# Altium PCB AVR Programmer.PcbDoc
Units mm, origin at the board's own origin, x right, y up, seen from the top; angles counter-clockwise.
Board outline 68.68 x 53.44 mm, 2 copper layers (Top Layer, Bottom Layer); 34 components, 22 nets, 170 pads, 18 vias.
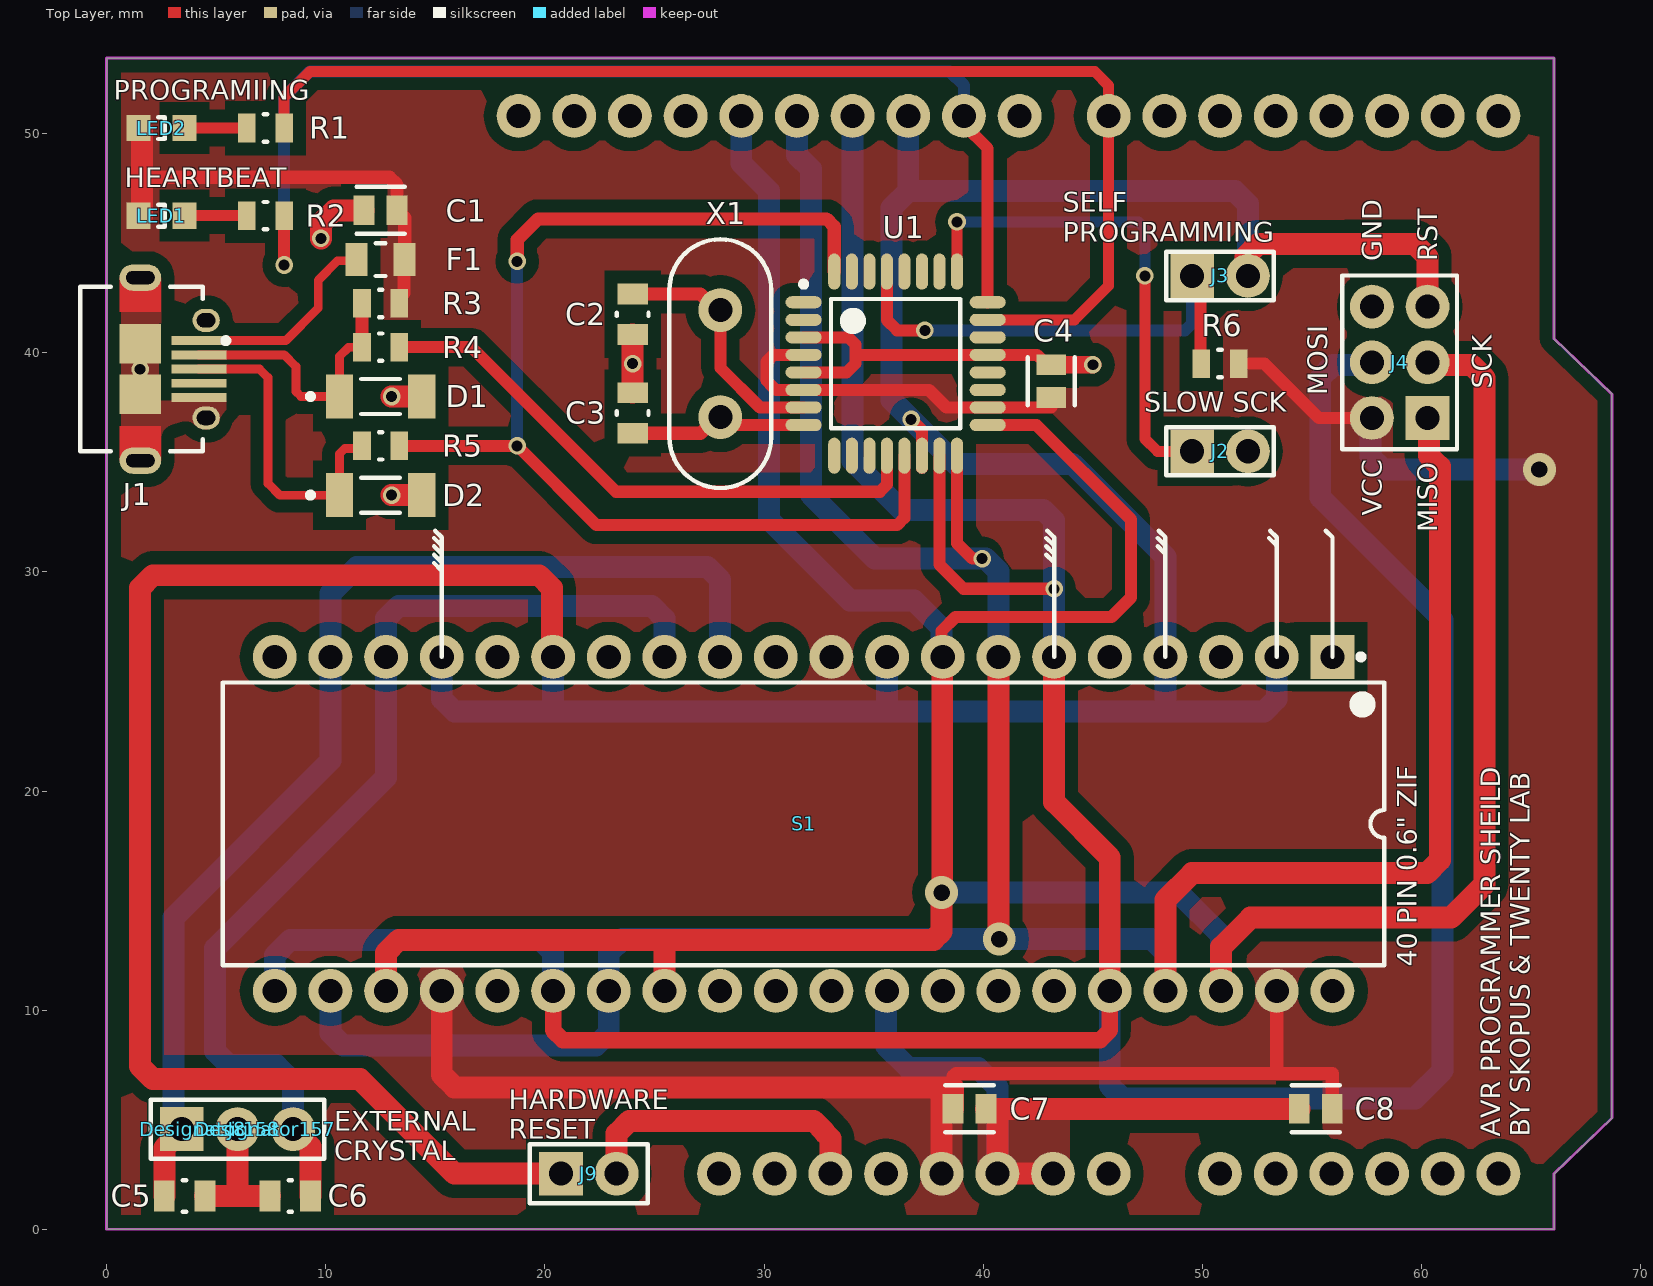
[diagram p0: Top Layer view]
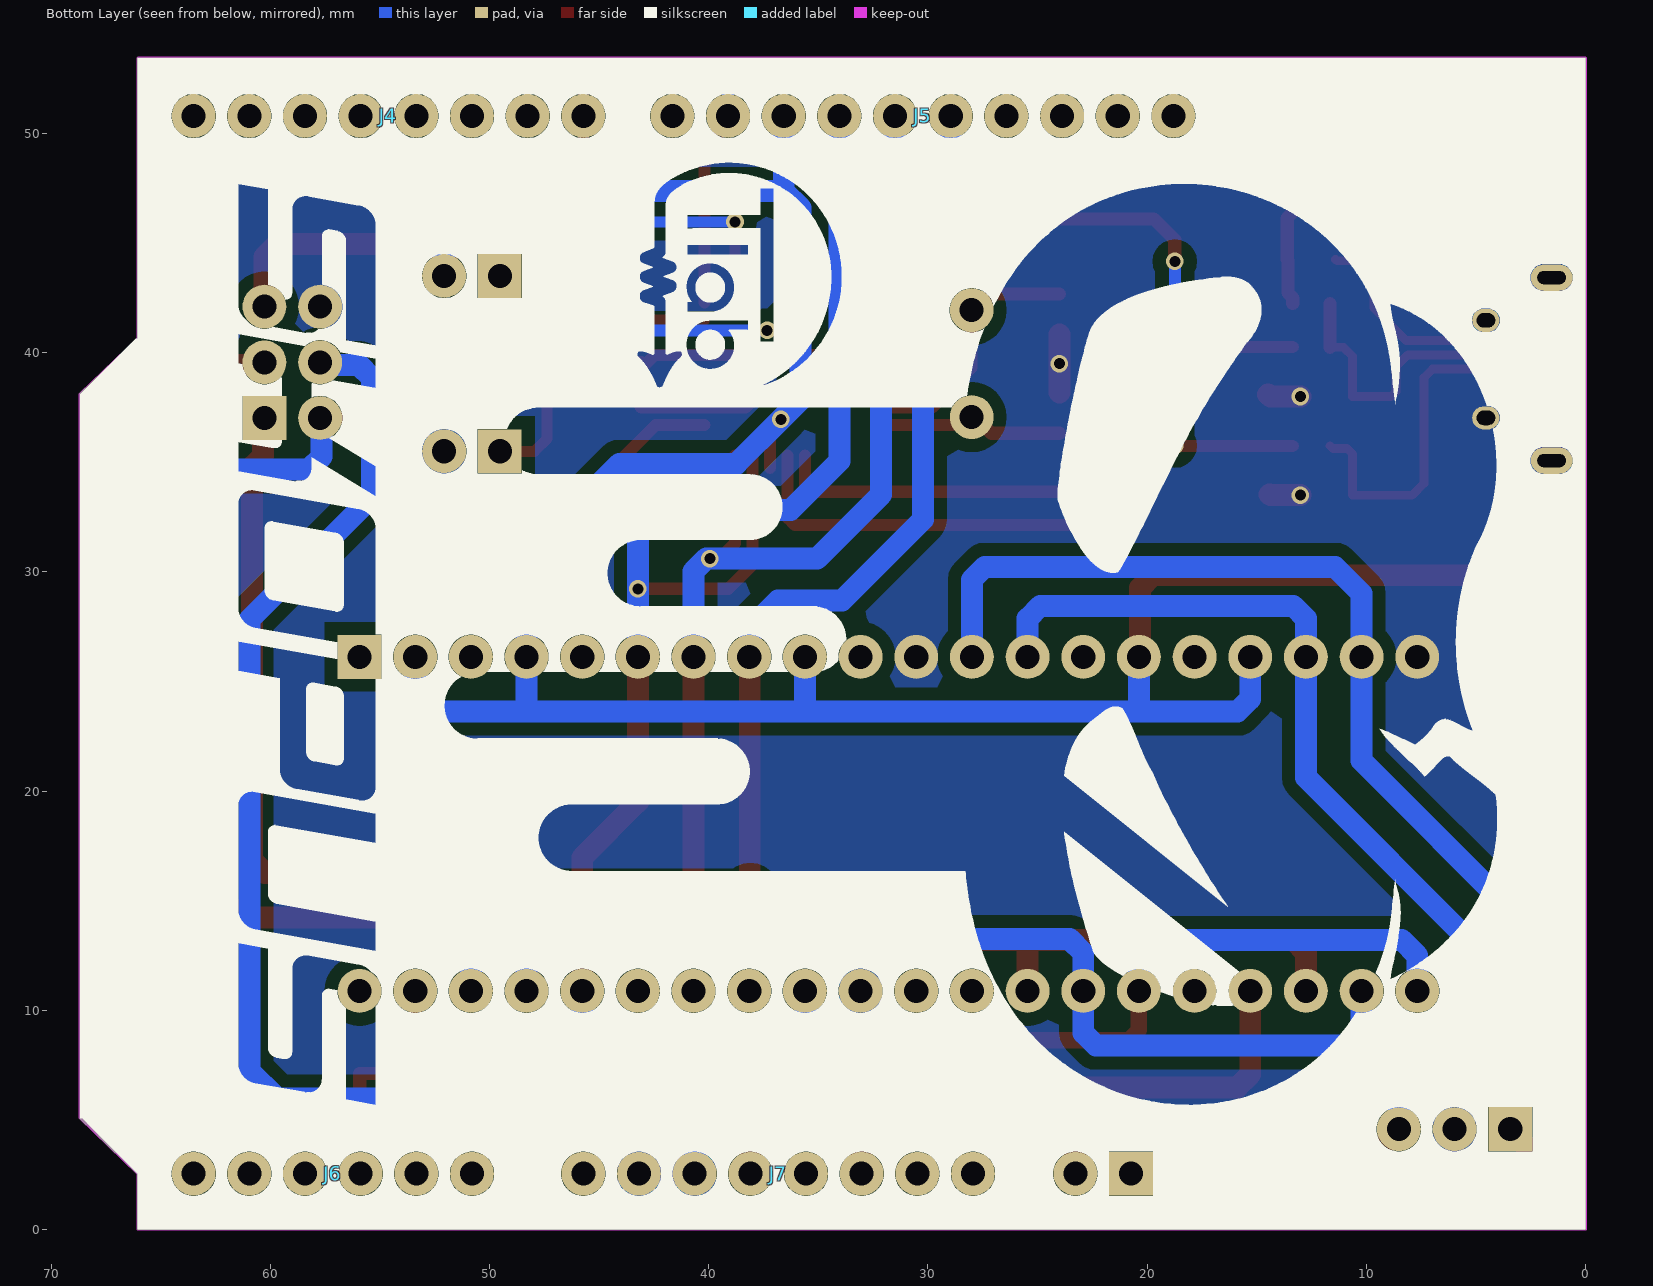
[diagram p1: Bottom Layer view, seen from below]
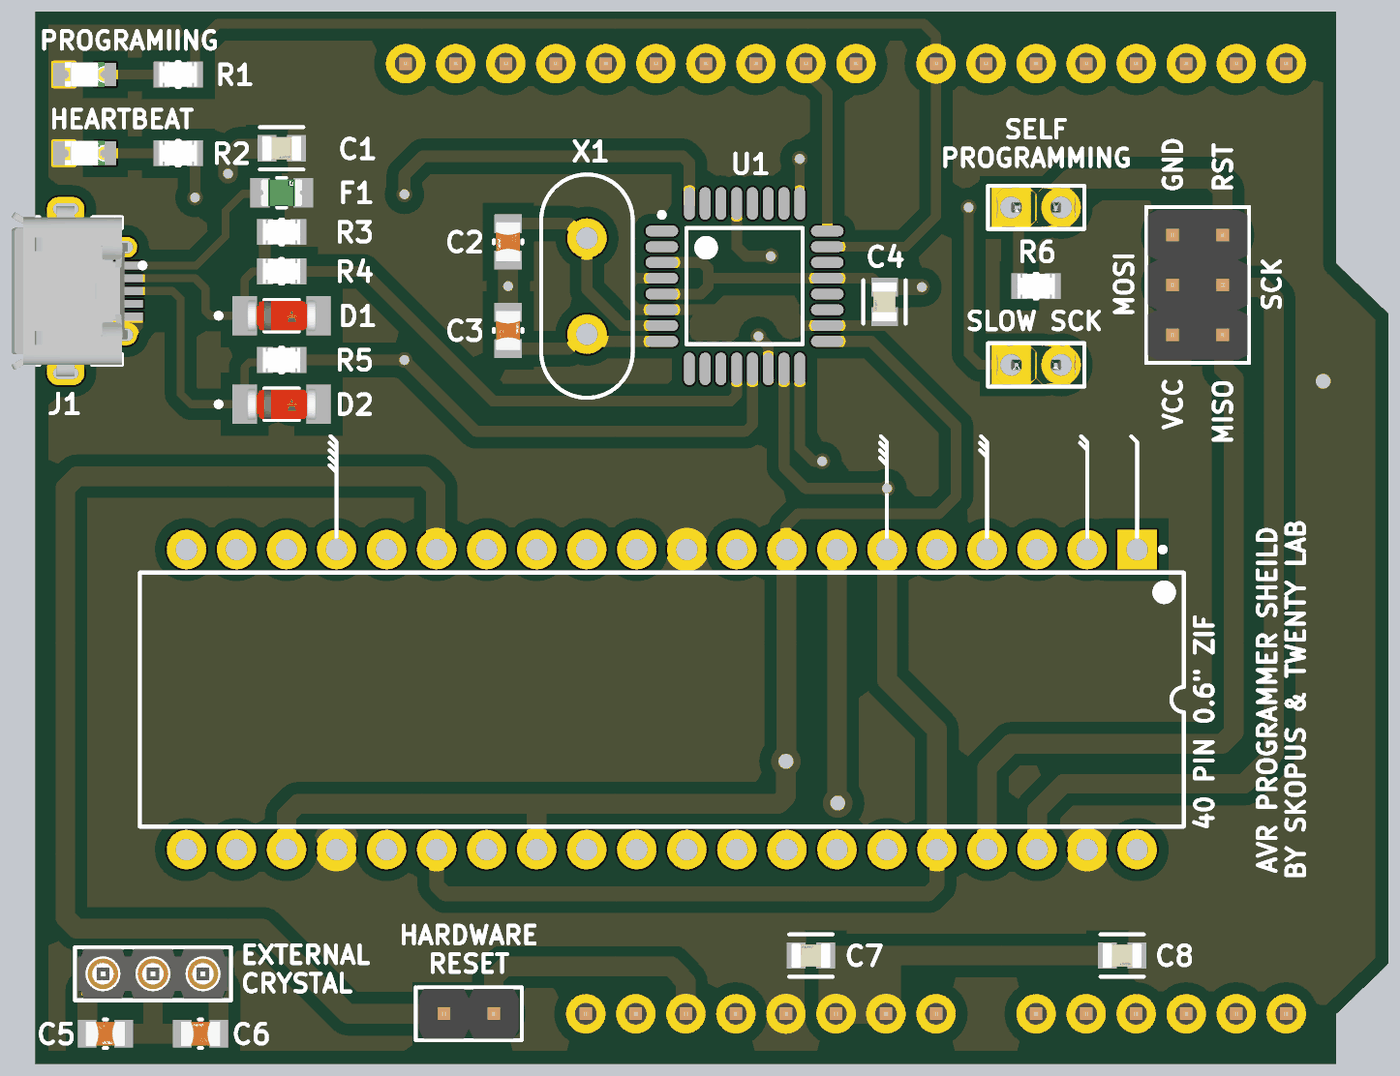
[diagram p2: 3D render of the assembled board from above, using the file's embedded part models]
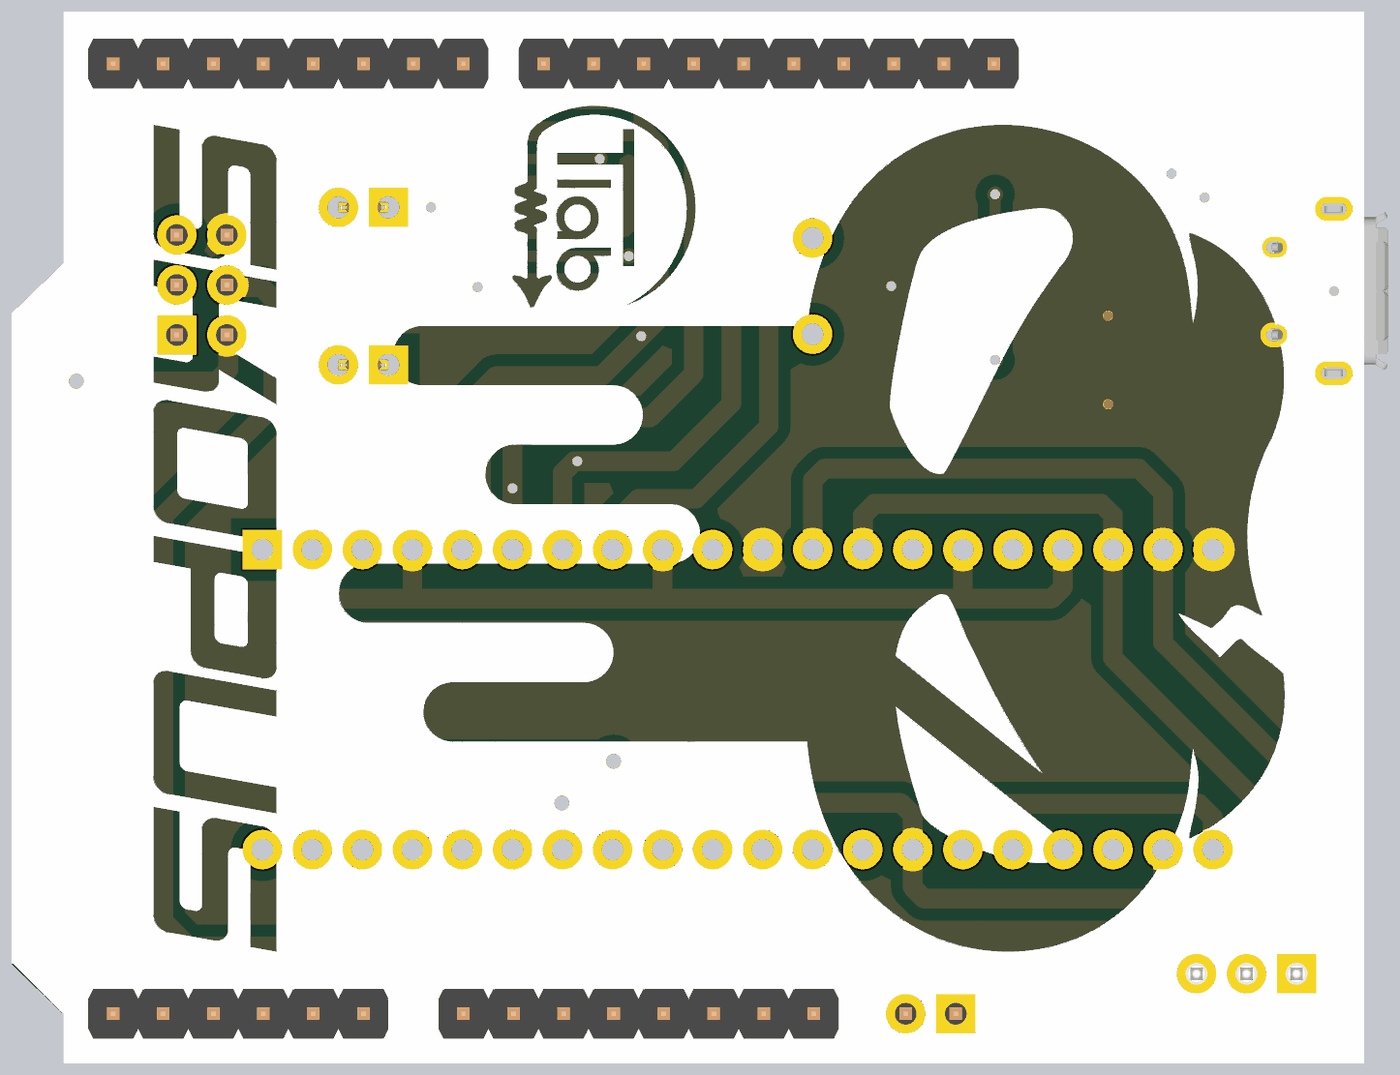
[diagram p3: 3D render of the assembled board from below, using the file's embedded part models]

## Layer stack, top to bottom
Top Solder: solder mask 0.0102, Solder Resist, Dk 3.5
Top Layer: signal copper 0.0356
Dielectric 1: dielectric 0.32, FR-4, Dk 4.8
Bottom Layer: signal copper 0.0356
Bottom Solder: solder mask 0.0102, Solder Resist, Dk 3.5

## Board outline
0,0 0,53.44 66.04,53.44 66.04,40.64 68.68,38.1 68.68,5.08 66.04,2.54 66.04,0

## Design rules (kind name [scope] priority, off if disabled: settings)
Clearance Clearance_2 [InNamedPolygon('NONET_L01_P-001') Or InNamedPolygon('NONET_L01_P-001')] p1: gap=0.6 ignorepadtopadclearanceinfootprint=FALSE except(0: Arc-Hole Track-Hole SMDPad-Hole THPad-Hole Via-Hole Fill-Hole Poly-Hole Region-Hole Text-Hole)
Clearance Clearance_1 [InNamedPolygon('NONET_L01_P-001') Or InNamedPolygon('NONET_L01_P-001')] p2: gap=0.45 ignorepadtopadclearanceinfootprint=FALSE except(0: Arc-Hole Track-Hole SMDPad-Hole THPad-Hole Via-Hole Fill-Hole Poly-Hole Region-Hole Text-Hole)
Clearance [All] p3: gap=0.2 ignorepadtopadclearanceinfootprint=FALSE except(0: Arc-Hole Track-Hole SMDPad-Hole THPad-Hole Via-Hole Fill-Hole Poly-Hole Region-Hole Text-Hole)
PolygonConnect [All] p1: connectstyle=Direct reliefconductorwidth=0.254 reliefentries=4 polygonreliefangle="90 Angle" airgapwidth=0.254
RoutingVias [All] p1: holewidth=0.711 width=1.27 viastyle="Through Hole" minholewidth=0.711 minwidth=1.27 maxholewidth=0.711 maxwidth=1.27
SolderMaskExpansion [All] p1: expansion=0.102 istentingtop=FALSE
Width [All] p1: maxlimit=2 minlimit=0.1 preferedwidth=0.254 minimp=50.000000 maximp=50.000000 favimp=50.000000
30 further rules are at their usual default settings.

## Classes and differential pairs
component class "AVR Programmer": C1 C2 C3 C4 C5 C6 C7 C8 D1 D2 F1 J1 J2 J3 J4 J5 J6 J7 J8 J9 LED1 LED2 R1 R2 R3 R4 R5 R6 S1 U1 X1

## Components (designator, comment, footprint, x,y, rotation, side; value= is the part's Value field where it differs from the comment)
C1 "10UF" FP-C0805C-DN-MFG 12.5,46.5 r180 top value="1,000 pF"
C2 "22PF" FP-CC0805-0_85-MFG 24,41.75 r270 top value="100 nF"
C3 "22PF" FP-CC0805-0_85-MFG 24,37.25 r90 top value="100 nF"
C4 "100NF" FP-C0805C-DN-MFG 43.103,38.7 r90 top value="680 pF"
C5 "22PF" FP-CC0805-0_85-MFG 3.556,1.524 r0 top value="100 nF"
C6 "22PF" FP-CC0805-0_85-MFG 8.382,1.524 r180 top value="100 nF"
C7 "10UF" FP-C0805C-DN-MFG 39.37,5.5 r0 top value="1,000 pF"
C8 "100NF" FP-C0805C-DN-MFG 55.168,5.5 r180 top value="680 pF"
D1 "3.6V" FP-6_560-5005_01-4-MFG 12.5,38 r0 top
D2 "3.6V" FP-6_560-5005_01-4-MFG 12.5,33.5 r0 top
Designator157 "Comment" FP-310-43-102-41-001000-MFG 7.239,4.572 r0 top
Designator158 "Comment" FP-310-43-102-41-001000-MFG 4.699,4.572 r180 top
F1 "0805L050WR" FP-0805L-MFG 12.5,44.25 r0 top value=0.15-0.85Ω
J1 "47589-0001" MOLX-47589-0001_V 3.04,39.25 r270 top
J2 "SIL2" FP-M22-2510205-MFG#1 50.8,35.5 r0 top
J3 "SIL2" FP-M22-2510205-MFG#2 50.8,43.5 r180 top
J4 "61300621121" 61300621121 59,39.56 r90 top
J4 "D0-D7" 61300811121 54.61,50.8 r180 bottom
J5 "D8-D13" 61301011121 30.226,50.8 r180 bottom
J6 "A0-A6" 61300611121 57.15,2.54 r180 bottom
J7 "POWER" 61300811121 36.83,2.54 r180 bottom
J8 "61300311121" 61300311121 5.969,4.572 r180 top
J9 "61300211121" 61300211121 22,2.54 r0 top
LED1 "" 0805_A 2.5,46.25 r180 top
LED2 "150080SS75000" 0805_A 2.5,50.25 r180 top
R1 "1KΩ" FP-CRCW0805-e3-IPC_C 7.25,50.25 r180 top
R2 "1KΩ" FP-CRCW0805-e3-IPC_C 7.25,46.25 r180 top
R3 "2.2KΩ" FP-CRCW0805-e3-IPC_C 12.5,42.25 r0 top
R4 "68Ω" FP-CRCW0805-e3-IPC_C 12.5,40.25 r0 top
R5 "68Ω" FP-CRCW0805-e3-IPC_C 12.5,35.75 r0 top
R6 "10KΩ" FP-CRCW0805-e3-IPC_C 50.8,39.5 r0 top
S1 "40 Pin DIP 0.6\" ZIF Socket" 40P6 31.8,18.5 r270 top
U1 "ATmega8A-AU" 32A_N 36,39.5 r0 top
X1 "12MH" FOX-FOXSLF-2_V 28,39.5 r90 top

## Footprints (in the part's own frame and the unit in brackets; to place one, negate y for a bottom-side part, rotate by r counter-clockwise, add the part's x,y. Pads: shape width x height; smd on the part's side, far side on the other; paste and mask are expansions set on the pad)
32A_N [mm] "Thin QFP, 32-Leads, Body 7x7mm, Pitch 0.8mm, IPC Medium Density"
  oval 1.65x0.55 smd: 1(-4.2,2.8) 2(-4.2,2) 3(-4.2,1.2) 4(-4.2,0.4) 5(-4.2,-0.4) 6(-4.2,-1.2) 7(-4.2,-2) 8(-4.2,-2.8) 17(4.2,-2.8) 18(4.2,-2) 19(4.2,-1.2) 20(4.2,-0.4) 21(4.2,0.4) 22(4.2,1.2) 23(4.2,2) 24(4.2,2.8)
  oval 0.55x1.65 smd: 9(-2.8,-4.2) 10(-2,-4.2) 11(-1.2,-4.2) 12(-0.4,-4.2) 13(0.4,-4.2) 14(1.2,-4.2) 15(2,-4.2) 16(2.8,-4.2) 25(2.8,4.2) 26(2,4.2) 27(1.2,4.2) 28(0.4,4.2) 29(-0.4,4.2) 30(-1.2,4.2) 31(-2,4.2) 32(-2.8,4.2)
  silkscreen extent -4.32,-2.95 2.95,3.75, body extent -3.5,-3.5 3.5,3.5, height 1.2
40P6 [mm] "40-Pin Ceramic Dual In-Line Package (CerDIP)"
  rect 2x2 hole 1.1: 1(-7.62,24.13)
  round 2 hole 1.1: 2(-7.62,21.59) 3(-7.62,19.05) 4(-7.62,16.51) 5(-7.62,13.97) 6(-7.62,11.43) 7(-7.62,8.89) 8(-7.62,6.35) 9(-7.62,3.81) 10(-7.62,1.27) 11(-7.62,-1.27) 12(-7.62,-3.81) 13(-7.62,-6.35) 14(-7.62,-8.89) 15(-7.62,-11.43) 16(-7.62,-13.97) 17(-7.62,-16.51) 18(-7.62,-19.05) 19(-7.62,-21.59) 20(-7.62,-24.13) 21(7.62,-24.13) 22(7.62,-21.59) 23(7.62,-19.05) 24(7.62,-16.51) 25(7.62,-13.97) 26(7.62,-11.43) 27(7.62,-8.89) 28(7.62,-6.35) 29(7.62,-3.81) 30(7.62,-1.27) 31(7.62,1.27) 32(7.62,3.81) 33(7.62,6.35) 34(7.62,8.89) 35(7.62,11.43) 36(7.62,13.97) 37(7.62,16.51) 38(7.62,19.05) 39(7.62,21.59) 40(7.62,24.13)
  silkscreen extent -7.74,-26.5 6.45,26.5, body extent -7.05,-26.47 7.05,26.47, height 5.72
0805_A [mm] "Chip LED, 2-Leads, Body 2.0x1.3mm, IPC Medium Density"
  rect 1.1x1.2 smd: 1(-1.05,0) 2(1.05,0)
  silkscreen extent -0.15,-0.5 0.15,0.5, body extent -1,-0.62 1,0.63, height 0.68
61300211121 [mm] "Pin Header, pitch 2.54 mm, THT, Vertical, single row, 2p"
  rect 2x2 hole 1.1: 1(-1.27,0)
  round 2 hole 1.1: 2(1.27,0)
  silkscreen extent -2.69,-1.35 2.69,1.35, body extent -2.54,-1.27 2.54,1.27, height 8.57
61300311121 [mm] "Pin Header, pitch 2.54 mm, THT, Vertical, single row, 3p"
  round 2 hole 1.1: 1(-2.54,0) 2(0,0)
  rect 2x2 hole 1.1: 3(2.54,0)
  silkscreen extent -3.96,-1.35 3.96,1.35, body extent -3.81,-1.27 3.81,1.27, height 8.57
61300611121 [mm] "Pin Header, pitch 2.54 mm, THT, Vertical, single row, 6p"
  round 2 hole 1.1 mask+0.01: 1(-6.35,0) 2(-3.81,0) 3(-1.27,0) 4(1.27,0) 5(3.81,0) 6(6.35,0)
  body extent -7.62,-1.27 7.62,1.27, height 8.57
61300621121 [mm] "Pin Header, pitch 2.54 mm, THT, Vertical, dual row, 6p"
  rect 2x2 hole 1.1: 1(-2.54,-1.27)
  round 2 hole 1.1: 2(-2.54,1.27) 3(0,-1.27) 4(0,1.27) 5(2.54,-1.27) 6(2.54,1.27)
  silkscreen extent -3.96,-2.62 3.96,2.62, body extent -3.81,-2.54 3.81,2.54, height 8.59
61300811121 [mm] "Pin Header, pitch 2.54 mm, THT, Vertical, single row, 8p"
  round 2 hole 1.1 mask+0.01: 1(-8.89,0) 2(-6.35,0) 3(-3.81,0) 4(-1.27,0) 5(1.27,0) 6(3.81,0) 7(6.35,0) 8(8.89,0)
  body extent -10.16,-1.27 10.16,1.27, height 8.57
61301011121 [mm] "Pin Header, pitch 2.54 mm, THT, Vertical, single row, 10p"
  round 2 hole 1.1 mask+0.01: 1(-11.43,0) 2(-8.89,0) 3(-6.35,0) 4(-3.81,0) 5(-1.27,0) 6(1.27,0) 7(3.81,0) 8(6.35,0) 9(8.89,0) 10(11.43,0)
  body extent -12.7,-1.27 12.7,1.27, height 8.57
FOX-FOXSLF-2_V [mm] "THD, 2-Leads, Body 11.35x4.65mm, Pitch 4.88mm"
  round 2 hole 1.1: 1(-2.44,0) 2(2.44,0)
  silkscreen extent -5.68,-2.32 5.68,2.32, body extent -5.67,-2.32 5.68,2.32, height 3.6
FP-6_560-5005_01-4-MFG [mm]
  rect 1.25x2 smd paste+0 mask+0: 1(-1.875,0) 2(1.875,0)
  silkscreen extent -3.32,-0.8 0.87,0.8, body extent -2.6,-1.1 2.6,1.1, height 0.25
FP-310-43-102-41-001000-MFG [mm]
  body extent -2.64,-1.37 2.64,1.37, height 0.25
FP-0805L-MFG [mm]
  rect 1x1.5 smd paste+0 mask+0: 1(-1.1,0) 2(1.1,0)
  silkscreen extent -0.23,-0.75 0.23,0.75, body extent -1.7,-0.85 1.7,0.85, height 0.25
FP-C0805C-DN-MFG [mm]
  rect 0.95x1.35 smd paste+0 mask+0: 1(-0.75,0) 2(0.75,0)
  silkscreen extent -1.1,-1.07 1.1,1.07, body extent -1.4,-0.85 1.4,0.85, height 0.25
FP-CC0805-0_85-MFG [mm]
  rect 0.95x1.4 smd paste+0 mask+0: 1(-0.925,0) 2(0.925,0)
  silkscreen extent -0.08,-0.72 0.08,0.72, body extent -1.6,-1.05 1.6,1.05, height 0.25
FP-CRCW0805-e3-IPC_C [mil]
  rect 31.75x51.5 smd paste+0 mask+0: 1(-33.5,0) 2(33.5,0)
  silkscreen extent -3,-25 3,25, body extent -53,-31 53,31, height 10
FP-M22-2510205-MFG#1 [mm]
  rect 2x2 hole 1.1 paste-1000 mask+0: 1(-1.27,0)
  round 2 hole 1.1 paste-1000 mask+0: 2(1.27,0)
  silkscreen extent -2.44,-1.1 2.44,1.1, body extent -2.27,-1.2 2.27,1.2, height 0.25
FP-M22-2510205-MFG#2 [mm]
  round 2 hole 1.1 paste-1000 mask+0: 1(-1.27,0)
  rect 2x2 hole 1.1 paste-1000 mask+0: 2(1.27,0)
  silkscreen extent -2.44,-1.1 2.44,1.1, body extent -2.27,-1.2 2.27,1.2, height 0.25
MOLX-47589-0001_V [mm] "SMD, 5-Leads, Body 7.5x5.6mm, Pitch 0.65mm"
  rect 0.4x2.489 smd: 1(-1.3,1.175) 2(-0.65,1.175) 3(0,1.175) 4(0.65,1.175) 5(1.3,1.175)
  oval 1.05x1.25 hole 0.65 slot 0.85 at 90 deg: 6(-2.225,1.5) 7(2.225,1.5)
  oval 1.2x1.9 hole 0.6 slot 1.3 at 90 deg: 8(-4.175,-1.5) 11(4.175,-1.5)
  rect 1.8x1.9 smd: 9(-1.15,-1.5) 10(1.15,-1.5)
  Top Layer region: 2.6,-2.45 4.175,-2.45 4.175,-0.55 2.6,-0.55
  Top Layer region: -2.6,-0.55 -4.175,-0.55 -4.175,-2.45 -2.6,-2.45
  silkscreen extent -3.75,-4.25 3.75,2.53, body extent -4.32,-4.25 4.32,1.64, height 2.74

## Part data
C1 C7: library part CMP-2007-00235-2, "CAP CER 1000PF 50V C0G/NP0 0805", Capacitance="1,000 pF", Manufacturer=KEMET, Manufacturer Part Number=C0805C102J5GACTU, Package=C0805C-DN, Temperature="-55°C to +125°C", Temperature Characteristic=C0G, Temperature Coefficient=30ppm/°C, Temperature Range High=+125°C, Temperature Range Low=-55°C, Tolerance=0.05, Voltage Rating="50 V", Automotive=No, Category=Cap, ComponentLink2Description=Datasheet, ComponentLink2URL=https://content.kemet.com/datasheets/KEM_C1003_C0G_SMD.pdf, Device Class L1="Passive Components", Device Class L2=Capacitors, Device Class L3="Ceramic Capacitors", Digikey Description="CAP CER 1000PF 50V C0G/NP0 0805", Height=0.88mm, Ipc Land Pattern Name=CAPC200125X78, Lead Free=Yes, Material=Ceramic, Mouser Description="Multilayer Ceramic Capacitors MLCC - SMD/SMT 50volts 1000pF C0G 5%", Octopart=https://octopart.com/c0805c102j5gactu-kemet-97757, RoHS=TRUE
C2 C3 C5 C6: library part CMP-2100-03606-3, "CAP CER 0.1UF 50V X7R 0805", Capacitance="100 nF", Manufacturer=Yageo, Manufacturer Part Number=CC0805KRX7R9BB104, Package=CC0805-0.85, Temperature="-30°C to +85°C", Temperature Characteristic=X7R, Temperature Range High=+85°C, Temperature Range Low=-30°C, Tolerance=0.1, Voltage Rating="50 V", Automotive=No, Category=Cap, ComponentLink2Description=Datasheet, ComponentLink2URL=http://www.yageo.com/documents/recent/UPY-GPHC_Y5V_6.3V-to-50V_8.pdf, Device Class L1="Passive Components", Device Class L2=Capacitors, Device Class L3="Ceramic Capacitors", Digikey Description="CAP CER 0.1UF 50V X7R 0805", Footprint Url=http://www.yageo.com/exep/pages/download/literatures/UPY-C_GEN_24.pdf, Height=0.95mm, Ipc Land Pattern Name=CAPC200125X85, Lead Free=Yes, Material=Ceramic, Mouser Description="Multilayer Ceramic Capacitors MLCC - SMD/SMT 100nF 50V X7R 10%", Octopart=https://octopart.com/cc0805krx7r9bb104-yageo-192993, RoHS=TRUE
C4 C8: library part CMP-2007-00403-2, "CAP CER 680PF 50V X7R 0805", Capacitance="680 pF", Manufacturer=KEMET, Manufacturer Part Number=C0805C681K5RACTU, Package=C0805C-DN, Temperature="-55°C to +125°C", Temperature Characteristic=X7R, Temperature Coefficient=30ppm/°C, Temperature Range High=+125°C, Temperature Range Low=-55°C, Tolerance=0.1, Voltage Rating="50 V", Automotive=No, Category=Cap, ComponentLink2Description=Datasheet, ComponentLink2URL=https://content.kemet.com/datasheets/KEM_C1003_C0G_SMD.pdf, Device Class L1="Passive Components", Device Class L2=Capacitors, Device Class L3="Ceramic Capacitors", Digikey Description="CAP CER 680PF 50V X7R 0805", Height=0.88mm, Ipc Land Pattern Name=CAPC200125X78, Lead Free=Yes, Material=Ceramic, Mouser Description="0805 C 680pF Ceramic Multilayer Capacitor; 50 VDC; +125degC; X7R Dielec; +/-10%", Octopart=https://octopart.com/c0805c681k5ractu-kemet-124671, RoHS=TRUE
D1 D2: library part CMP-02541-000010-1, "DIODE ZENER 5.1V 500MW SOD80", Forward Current=200mA, Manufacturer="Vishay Semiconductor Diodes Division", Manufacturer Part Number=TZMC5V1-GS08, Max Junction Temp=+175°C, Max Reverse Leakage Current=0.1uA, Max Zener Voltage=5.4V, Nom Zener Voltage=5.1V, Package=6.560-5005.01-4, Power Dissipation=500mW, Reverse Voltage=1V, Temperature="to +175°C", Automotive=Yes, Automotive Grade="Grade 0", Category=Diode, ComponentLink2Description=Datasheet, ComponentLink2URL=https://www.vishay.com/docs/84122/tzm.pdf, Device Class L1="Discrete Semiconductors", Device Class L2=Diodes, Device Class L3="Zener Diodes", Digikey Description="DIODE ZENER 5.1V 500MW SOD80", Height=1.6mm, Lead Free=Yes, Mouser Description="TZM Series 500 mW 5.1 V 200 mA Small Signal Zener Diode - SOD-80", Octopart=https://octopart.com/tzmc5v1-gs08-vishay-1003274, RoHS=TRUE, Temperature Range High=+175°C, Zener Impedance=60Ω
F1: library part CMP-08606-000023-1, "PTC RESET FUSE 6V 500MA 0805", Ambient Temperature Range High=+85°C, Ambient Temperature Range Low=-40°C, Current Rating=100A, Hold Current=0.5A, Manufacturer="Littelfuse Inc.", Package=0805L, Resistance=0.15-0.85Ω, Temperature="-40°C to +85°C", Trip Current=1A, Voltage Rating=6V, Automotive=No, Category=Fuse, ComponentLink2Description=Datasheet, ComponentLink2URL=https://www.littelfuse.com/~/media/electronics/datasheets/resettable_ptcs/littelfuse_ptc_0805l_datasheet.pdf.pdf, Device Class L1="Circuit Protection", Device Class L2="PTC Resettable Fuses", Device Class L3=unset, Digikey Description="PTC RESET FUSE 6V 500MA 0805", Height=1.25mm, Lead Free=Yes, Manufacturer Part Number=0805L050WR, Mouser Description="PTC Resettable Fuse 0.5A(hold) 1A(trip) 6VDC 100A 0.5W 0.1s 0.15Ohm SMD Solder Pad 0805 T/R", Octopart=https://octopart.com/0805l050wr-littelfuse-673858, RoHS=TRUE, Temperature Range High=+85°C, Temperature Range Low=-40°C, Trip Time=0.1s
J1: library part CMP-2000-05610-1, "Right Angle Female Type AB Micro USB Connector, 30 V, 1.8 A, -30 to 85 degC, RoHS, Tape and Reel", Color=Black, Current Rating=1.8A, Manufacturer=Molex, Operating Temperature Range=-20Cto+85C, Package Description="Micro USB Connector, Pitch 0.65 mm, 5 Positions, Body 7.5 x 5.6 mm", Voltage Rating=30VAC, Brand=Molex, Connector Type=MicroUSBTypeABreceptacle, Contact Material=CopperAlloy, Contact Plating=Gold, Datasheet URL=http://www.molex.com/webdocs/datasheets/pdf/en-us/0475890001_IO_CONNECTORS.pdf, Datasheet Version=12/2016, Gender=Female, Manufacturer URL=http://www.molex.com/, Mounting Angle=Right, Mounting Technology=SurfaceMount, Number of Contacts=5Contact, Number of Ports=1Port, Package Reference=47589-0001, Package URL=http://www.molex.com/pdm_docs/sd/475890001_sd.pdf, Packaging=Reel, Product=MicroUSBTypeABConnectors, Product Category=USBConnectors, RoHS=True, Series=47589, Standard=USB, Termination Style=SMD/SMT
J2 J3: library part CMP-15831-000005-1, "CONN HEADER VERT 2POS 2MM", Current Rating=2A, Manufacturer=Harwin, Manufacturer Part Number=M22-2510205, Package=0, Temperature="-40°C to +105°C", Temperature Range High=+105°C, Temperature Range Low=-40°C, Automotive=No, Category=Conn, ComponentLink2Description=Datasheet, ComponentLink2URL=https://cdn.harwin.com/pdfs/C018XX_M22_Series_Connectors.pdf, Conn Gender=Male, Conn Orientation=Vertical, Contact Material=Gold,Nickel, Device Class L1=Connectors, Device Class L2="Headers and Wire Housings", Device Class L3=unset, Digikey Description="CONN HEADER VERT 2POS 2MM", Footprint Url=https://cdn.harwin.com/pdfs/M22-251.pdf, Height=5.45mm, Lead Free=Yes, Mouser Description="Headers & Wire Housings 2 PIN SIL VERTICAL GOLD PIN HEADER", Number of Contacts=2, Number Of Rows=1, Octopart=https://octopart.com/m22-2510205-harwin-2538221, Pitch=2mm, RoHS=TRUE
J4: library part CMP-1502-01072-1, "THT Vertical Pin Header WR-PHD, Pitch 2.54 mm, Dual Row, 6 pins", Contact Resistance=20mOhm, Manufacturer="Wurth Elektronik", Operating Temperature=-40to105degC, Rated Current=3A, Withstanding Voltage=500VAC, Working Voltage=250VAC, Datasheet URL=https://katalog.we-online.de/em/datasheet/6130xx21121.pdf, Gender=Male, Manufacturer URL=http://www.we-online.de, Mounting Technology=THT, Orientation=Vertical, Package Reference=61300621121, Packaging=Bag, Part Number=61300621121, Pin Number=6, Pitch=2.54mm, Publisher=WurthElektronik, Row Number=Dual
J4 J7: library part CMP-1502-01076-1, "THT Vertical Pin Header WR-PHD, Pitch 2.54 mm, Single Row, 8 pins", Contact Resistance=20mOhm, Manufacturer="Wurth Elektronik", Operating Temperature=-40to105degC, Package Reference=61300811121, Rated Current=3A, Withstanding Voltage=500VAC, Working Voltage=250VAC, Datasheet URL=https://katalog.we-online.de/em/datasheet/6130xx11121.pdf, Gender=Male, Manufacturer URL=http://www.we-online.de, Mounting Technology=THT, Orientation=Vertical, Packaging=Bag, Part Number=61300811121, Pin Number=8, Pitch=2.54mm, Publisher=WurthElektronik, Row Number=Single
J5: library part CMP-1502-01082-1, "THT Vertical Pin Header WR-PHD, Pitch 2.54 mm, Single Row, 10 pins", Contact Resistance=20mOhm, Manufacturer="Wurth Elektronik", Operating Temperature=-40to105degC, Package Reference=61301011121, Rated Current=3A, Withstanding Voltage=500VAC, Working Voltage=250VAC, Datasheet URL=https://katalog.we-online.de/em/datasheet/6130xx11121.pdf, Gender=Male, Manufacturer URL=http://www.we-online.de, Mounting Technology=THT, Orientation=Vertical, Packaging=Bag, Part Number=61301011121, Pin Number=10, Pitch=2.54mm, Publisher=WurthElektronik, Row Number=Single
J6: library part CMP-1502-01070-1, "THT Vertical Pin Header WR-PHD, Pitch 2.54 mm, Single Row, 6 pins", Contact Resistance=20mOhm, Manufacturer="Wurth Elektronik", Operating Temperature=-40to105degC, Package Reference=61300611121, Rated Current=3A, Withstanding Voltage=500VAC, Working Voltage=250VAC, Datasheet URL=https://katalog.we-online.de/em/datasheet/6130xx11121.pdf, Gender=Male, Manufacturer URL=http://www.we-online.de, Mounting Technology=THT, Orientation=Vertical, Packaging=Bag, Part Number=61300611121, Pin Number=6, Pitch=2.54mm, Publisher=WurthElektronik, Row Number=Single
J8: library part CMP-1502-01062-1, "THT Vertical Pin Header WR-PHD, Pitch 2.54 mm, Single Row, 3 pins", Contact Resistance=20mOhm, Manufacturer="Wurth Elektronik", Operating Temperature=-40to105degC, Rated Current=3A, Withstanding Voltage=500VAC, Working Voltage=250VAC, Datasheet URL=https://katalog.we-online.de/em/datasheet/6130xx11121.pdf, Gender=Male, Manufacturer URL=http://www.we-online.de, Mounting Technology=THT, Orientation=Vertical, Package Reference=61300311121, Packaging=Bag, Part Number=61300311121, Pin Number=3, Pitch=2.54mm, Publisher=WurthElektronik, Row Number=Single
J9: library part CMP-1712-00002-4, "THT Vertical Pin Header WR-PHD, Pitch 2.54 mm, Single Row, 2 pins", Contact Resistance=20mOhm, Manufacturer="Wurth Elektronik", Operating Temperature=-40to105degC, Rated Current=3A, Withstanding Voltage=500VAC, Working Voltage=250VAC, Datasheet URL=https://katalog.we-online.de/em/datasheet/6130xx11121.pdf, Gender=Male, Manufacturer URL=http://www.we-online.de, Mounting Technology=THT, Orientation=Vertical, Package Reference=61300211121, Packaging=Bag, Part Number=61300211121, Pin Number=2, Pitch=2.54mm, Publisher=WurthElektronik, Row Number=Single
LED1: library part CMP-1426-00010-1, "SMD mono-color Chip LED, WL-SMCW, Super Red", Color="Super Red", Manufacturer="Wuerth Elektronik", PartNumber=150080SS75000, ComponentLink1Description="Manufacturer URL", ComponentLink1URL=http://www.we-online.com, ComponentLink2Description=Datasheet, ComponentLink2URL=http://katalog.we-online.com/led/datasheet/150080SS75000.pdf, PackageReference=0805_A
LED2: library part CMP-1426-00010-1, "SMD mono-color Chip LED, WL-SMCW, Super Red", Color="Super Red", Manufacturer="Wuerth Elektronik", ComponentLink1Description="Manufacturer URL", ComponentLink1URL=http://www.we-online.com, ComponentLink2Description=Datasheet, ComponentLink2URL=http://katalog.we-online.com/led/datasheet/150080SS75000.pdf, PackageReference=0805_A, PartNumber=150080SS75000
R1 R2 R3 R4 R6: library part CMP-2001-04979-2, "RES Thick Film, 68Ω, 1%, 0.125W, 100ppm/°C, 0805", Case Code (Imperial)=0805, Case Code (Metric)=2012, Max Operating Temperature=155°C, Max Power Dissipation=125mW, Min Operating Temperature=-55°C, Package Quantity=10, Resistance=16kR, Temperature Coefficient=100ppm/°C, Tolerance=1%, Voltage Rating=150V, Case/Package=0805, Composition="Thick Film", Contact Plating=Tin, Depth=1.25mm, Features="Automotive AEC-Q200", Height=0.45mm, Lead Free="Lead Free", Length=2mm, Military Standard=Not, Mount="Surface Mount", Number of Pins=2, Number of Terminations=2, Packaging="Tape and Reel", Power Rating=125mW, Radiation Hardening=No, Termination=SMD/SMT, Voltage Rating (DC)=150V, Weight=0.000194oz, Width=1.25mm
R5: library part CMP-2001-04979-2, "RES Thick Film, 16kΩ, 1%, 0.125W, 100ppm/°C, 0805", Case Code (Imperial)=0805, Case Code (Metric)=2012, Max Operating Temperature=155°C, Max Power Dissipation=125mW, Min Operating Temperature=-55°C, Package Quantity=10, Resistance=16kR, Temperature Coefficient=100ppm/°C, Tolerance=1%, Voltage Rating=150V, Case/Package=0805, Composition="Thick Film", Contact Plating=Tin, Depth=1.25mm, Features="Automotive AEC-Q200", Height=0.45mm, Lead Free="Lead Free", Length=2mm, Military Standard=Not, Mount="Surface Mount", Number of Pins=2, Number of Terminations=2, Packaging="Tape and Reel", Power Rating=125mW, Radiation Hardening=No, Termination=SMD/SMT, Voltage Rating (DC)=150V, Weight=0.000194oz, Width=1.25mm
S1: library part CMP-0095-00014-2, "8-bit AVR Microcontroller, 32KB Flash, 1KB EEPROM, 2KB SRAM, 40-pin PDIP, Industrial Grade (-40°C to 85°C)", Code_JEDEC=MS-011-AC, ComponentLink1Description="Manufacturer URL", ComponentLink1URL=http://www.atmel.com/, ComponentLink2Description="ATmega164A/164PA/324A/324PA/644A/644PA/1284/1284P Datasheet", ComponentLink2URL=http://www.atmel.com/dyn/resources/prod_documents/doc8272.pdf, ComponentLink3Description="ATmega164A/164PA/324A/324PA/644A/644PA/1284/1284P Summary", ComponentLink3URL=http://www.atmel.com/dyn/resources/prod_documents/8272S.pdf, DatasheetVersion="revC, Jun-2011", PackageDescription="40-lead (0.600\"/15.24mm Wide) Plastic Dual Inline Package (PDIP)", PackageReference=40P6, PackageVersion="revB, Sep-2001", RevisionNote="DatasheetVersion & Sch pin names updated. URLs added."
U1: library part CMP-0095-00219-2, "8-bit AVR Microcontroller, 2.7-5.5V, 16MHz, 8KB Flash, 512 Bytes EEPROM, 1KB SRAM, 32-pin TQFP, Industrial Grade (-40°C to 85°C)", Code_JEDEC=MS-026-ABA, ComponentLink1Description="Manufacturer URL", ComponentLink1URL=http://www.atmel.com/, ComponentLink2Description="ATmega8A Datasheet", ComponentLink2URL=http://www.atmel.com/dyn/resources/prod_documents/doc8159.pdf, ComponentLink3Description="ATmega8A Summary", ComponentLink3URL=http://www.atmel.com/dyn/resources/prod_documents/8159S.pdf, DatasheetVersion="revD, Feb-2011", PackageDescription="32-Lead, 7x7x1.0 mm Body, 0.8mm Lead Pitch, Thin Profile Plastic Quad Flat Package (TQFP)", PackageReference=32A, PackageVersion="revC, Oct-2010", RevisionNote="DatasheetVersion & PackageVersion updated. URLs added."
X1: library part CMP-1749-00004-1, "Resistance Weld Thru-Hole Crystal, 12 MHz, +/-30 ppm, -20 to 70 degC, 2-Pin THD, RoHS, Bulk", Case\Package=TO-251-3, Input Capacitance="350 pF", Max Operating Temperature="150 degC", Max Power Dissipation="2.5 W", Min Operating Temperature="-55 degC", Package Quantity=70, ComponentLink1Description="Manufacturer URL", ComponentLink1URL=http://www.foxonline.com/, ComponentLink2Description=Datasheet, ComponentLink2URL=http://www.foxonline.com/pdfs/hc49slf.pdf, DatasheetVersion=Mar-15, Elements=1, Height="6.1 mm", Length="6.6 mm", Mount="Through Hole", PackageDescription="2-Pin Through Hole Device, Body 11.35 x 4.65 mm, Pitch 4.88 mm", PackageReference=FOXSLF-2, Packaging=Rail/Tube, Pins=3, Radiation Hardening=No, Rds On Max="115 mohm", REACH SVHC="No SVHC", RoHSCompliant=true, Typical Rise Time="90 ns", Width="2.3 mm"

## Via types
v1: diameter 0.8, hole 0.5, Top Layer to Bottom Layer, tented both sides, 15 vias
v2: diameter 1.5, hole 0.75, Top Layer to Bottom Layer, tented both sides, 3 vias

## Nets (pads, with @x,y where several pads share a name; then routed paths per layer and width w, separated by ;. In a path a pad name is that pad's centre, name@x,y a point inside that pad or via, vN(x,y) a via of type N, cw(c..) or ccw(c..) an arc to the next point about the centre after c; other vN are vias at no path point)
GND: C1.2 C2.2 C3.2 C4.2 C5.2 C6.2 C7.2 C8.2 D1.2 D2.2 J1.5 J1.6 J1.7 J1.8 J1.9 J1.10 J1.11 J2.2 J4.6@57.73,42.1 J7.2 J7.3 J8.2 S1.11 S1.20 S1.31 U1.3 U1.5 U1.21 | length 63.5
  Top Layer w0.55: U1.5 33.766,39.1 34.163,39.497 34.163,39.937 ; U1.3 33.841,40.7 34.163,40.378 34.163,39.937 ; C4.2 42.903,39.45 42.453,39.9 U1.21 34.2,39.9 34.163,39.937
  Top Layer w0.8: C4.2 v1(45,39.45)
  Top Layer w1: C5.2 5.969,1.524 ; J8.2 5.969,1.524 ; C6.2 5.969,1.524 ; v1(9.779,45.212) 9.779,45.896 10.365,46.482 C1.2@11.725,46.482 ; v1(13,33.5) D2.2 D2.2@14.403,33.528 ; v1(13,38) D1.2 D1.2@14.475,38.1 ; C3.2 v1(24,39.5) C2.2 ; C7.2 40.64,5.5 ; J7.2 J7.3 40.64,5.5 ; C8.2 40.64,5.5
  Bottom Layer w1: 35.61,10.88 35.56,10.83 35.56,8.382 36.576,7.366 39.751,7.366 40.64,6.477 J7.3
  other v1: 1.524,39.243
NetC2_1: C2.1 U1.7 X1.2 | length 11.4
  Top Layer w0.55: X1.2@27.838,41.94 27.897,41.94 28,41.837 28,39.31 29.81,37.5 U1.7
  Top Layer w0.6: C2.1 27.103,42.675 X1.2@27.838,41.94
NetC3_1: C3.1 U1.8 X1.1 | length 8.3
  Top Layer w0.55: X1.1@28.162,37.06 28.522,36.7 U1.8
  Top Layer w0.6: C3.1 27.103,36.325 27.838,37.06 X1.1 X1.1@28.162,37.06
NetC5_1: C5.1 J8.3 S1.12 S1.19 | length 52.7
  Top Layer w1: C5.1 2.631,3.709 3.429,4.507 J8.3
  Bottom Layer w1: J8.3 3.429,4.734 3.048,5.115 3.048,14.224 10.21,21.386 S1.19@10.21,25.831 ; S1.19 10.21,29.006 11.43,30.226 27.404,30.226 27.99,29.64 S1.12
NetC6_1: C6.1 J8.1 S1.13 S1.18 | length 47.6
  Top Layer w1: J8.1 9.307,3.774 C6.1
  Bottom Layer w1: J8.1 8.509,6.731 7.747,7.493 5.588,7.493 4.953,8.128 4.953,12.827 12.75,20.624 12.75,27.862 13.336,28.448 24.864,28.448 25.45,27.862 S1.13
NetD1_1: D1.1 J1.2 R3.1 R4.1 | length 12.9
  Top Layer w0.4: J1.2 8.106,39.9 8.636,39.37 8.636,38.234 8.87,38 D1.1 10.625,39.835 11.04,40.25 R4.1
  Top Layer w0.6: R4.1 R3.1
NetD2_1: D2.1 J1.3 R5.1 | length 14.7
  Top Layer w0.4: J1.3 6.978,39.25 7.366,38.862 7.366,34.036 7.902,33.5 D2.1 10.625,35.39 10.859,35.624 11.523,35.624 R5.1
NetF1_1: F1.1 J1.1 | length 9.5
  Top Layer w0.4: J1.1 8.165,40.55 9.652,42.037 9.652,43.307 10.534,44.189 11.339,44.189 F1.1
NetJ2_1: J2.1 U1.25 | length 23
  Top Layer w0.5: U1.25 v1(38.8,45.965) ; v1(47.371,43.5) 47.371,36.068 47.939,35.5 J2.1
  Bottom Layer w0.5: v1(38.8,45.965) 47.078,45.965 47.371,45.672 v1(47.371,43.5)
NetJ3_1: J3.1 J4.5@60.27,42.1 J5.3 J9.1 S1.2 S1.4 S1.9 S1.15 S1.17 U1.14 | length 182.2
  Top Layer w0.55: v1(36.703,36.957) 37.2,36.46 U1.14 37.2,34.75 U1.14@37.211,34.739
  Top Layer w1: S1.15 20.32,26.17 20.32,29.259 19.734,29.845 2.11,29.845 1.524,29.259 1.524,7.444 2.11,6.858 11.557,6.858 15.875,2.54 J9.1 ; J3.1@51.8,43.5 51.95,43.65 51.95,44.372 52.536,44.958 56.466,44.958 59.684,44.958 60.27,44.372 J4.5@60.27,42.1
  Bottom Layer w1: S1.17 15.29,24.208 15.876,23.622 20.37,23.622 ; S1.15 20.37,23.622 ; S1.9 35.61,23.672 35.56,23.622 ; J5.3 36.576,47.371 ; J3.1 52.07,46.785 51.484,47.371 36.576,47.371 ; S1.2 53.39,24.208 52.804,23.622 48.31,23.622 ; 20.37,23.622 35.56,23.622 ; 35.56,23.622 48.31,23.622 ; 36.576,47.371 35.814,46.609 35.814,37.846 v1(36.703,36.957) 38.735,34.925 44.069,34.925 48.31,30.684 S1.4 48.31,23.622
NetJ3_2: J3.2 R6.1 U1.29 | length 22.7
  Top Layer w0.55: U1.29 35.6,41.489 36.068,41.021 v1(37.33,41.021) ; J3.2@49.8,43.5 49.911,43.389 49.911,39.538 R6.1
  Bottom Layer w0.55: v1(37.33,41.021) 49.208,41.021 49.53,41.343 J3.2
NetJ4_1: J4.1@60.27,37.02 J5.5 S1.7 S1.22 S1.27 S1.37 U1.16 | length 134
  Top Layer w0.55: U1.16 38.8,31.304 39.497,30.607 v1(39.942,30.607)
  Top Layer w1: S1.7 40.69,13.285 v2(40.729,13.247) ; S1.37 48.31,15.036 49.53,16.256 60.247,16.256 60.833,16.842 60.833,34.798 60.326,35.305 60.326,36.964 J4.1@60.27,37.02
  Bottom Layer w1: S1.22 10.21,8.968 10.796,8.382 22.324,8.382 22.91,8.968 S1.27 22.91,12.622 23.534,13.247 v2(40.729,13.247) 47.686,13.247 48.31,12.622 S1.37 ; J5.5 31.496,49.022 32.131,48.387 32.131,33.528 35.052,30.607 v1(39.942,30.607) 40.104,30.607 40.69,30.021 S1.7
NetJ4_3: J4.3@60.27,39.56 J5.6 S1.8 S1.23 S1.28 S1.38 U1.17 | length 152.2
  Top Layer w0.55: S1.8@38.125,26.095 38.1,26.12 38.1,27.305 38.735,27.94 45.847,27.94 46.736,28.829 46.736,32.385 42.421,36.7 U1.17
  Top Layer w1: S1.23 12.75,12.622 13.336,13.208 25.45,13.208 ; S1.28 25.45,13.208 ; S1.8@38.125,26.095 38.125,15.392 v2(38.1,15.367) 38.1,13.589 37.719,13.208 25.45,13.208 ; S1.38 50.85,12.877 52.197,14.224 61.341,14.224 62.865,15.748 62.865,38.85 62.279,39.436 60.394,39.436 J4.3@60.27,39.56
  Bottom Layer w1: J5.6 28.956,48.641 30.226,47.371 30.226,32.385 33.909,28.702 36.83,28.702 38.1,27.432 38.1,26.17 S1.8 ; v2(38.1,15.367) 48.895,15.367 50.85,13.412 S1.38
NetJ4_4: J4.4@57.73,39.56 J5.4 S1.6 S1.21 S1.26 S1.36 U1.15 | length 162.1
  Top Layer w0.55: U1.15 38,34.75 38,30.326 39.098,29.228 v1(43.23,29.228)
  Top Layer w0.75: S1.26 20.37,9.075 20.809,8.636 45.331,8.636 45.77,9.075 S1.36
  Top Layer w1: S1.6 43.23,19.508 45.77,16.968 S1.36
  Bottom Layer w1: S1.21 7.67,12.496 8.382,13.208 19.784,13.208 20.37,12.622 S1.26 ; J5.4 34.036,35.052 36.258,32.83 42.736,32.83 43.23,32.335 v1(43.23,29.228) S1.6 ; S1.36 45.77,6.555 46.356,5.969 59.69,5.969 60.96,7.239 60.96,27.813 55.372,33.401 55.372,38.85 55.958,39.436 57.606,39.436 J4.4@57.73,39.56
NetJ4_8: J4.8 R1.1 U1.23 | length 55.1
  Top Layer w0.5: R1.1 8.101,51.662 9.271,52.832 45.085,52.832 45.72,52.197 J4.8 45.72,43.053 44.167,41.5 U1.23
NetJ5_2: J5.2 R2.1 U1.24 | length 52
  Top Layer w0.55: v1(8.101,44) R2.1 ; J5.2 39.116,50.408 40.2,49.324 U1.24
  Bottom Layer w0.55: v1@8.169,44.048 8.101,44.115 8.101,51.662 9.271,52.832 38.481,52.832 39.116,52.197 J5.2
NetJ7_6: J7.6 J9.2 | length 13.8
  Top Layer w1: J9.2 23.27,4.367 23.856,4.953 32.258,4.953 32.766,4.445 32.766,4.402 33.02,4.148 J7.6
NetLED1_1: LED1.1 R2.2 | length 2.8
  Top Layer w0.5: LED1.1 R2.2
NetLED2_1: LED2.1 R1.2 | length 2.8
  Top Layer w0.5: LED2.1 R1.2
NetR4_2: R4.2 U1.12 | length 26.4
  Top Layer w0.55: R4.2 16.646,40.25 23.241,33.655 35.278,33.655 35.6,33.977 U1.12
NetR5_2: R5.2 U1.13 U1.32 | length 54
  Top Layer w0.55: R5.2 v1(18.733,35.75) 22.352,32.131 36.068,32.131 36.4,32.463 U1.13
  Top Layer w0.6: v1(18.733,44.164) 18.733,45.149 19.685,46.101 32.849,46.101 33.2,45.75 U1.32
  Bottom Layer w0.55: v1(18.733,35.75) v1(18.733,44.164)
VCC: C1.1 C4.1 C7.1 C8.1 F1.2 J4.2@57.73,37.02 J7.4 LED1.2 LED2.2 R3.2 R6.2 S1.10 S1.24 S1.39 U1.4 U1.6 U1.18 | length 110.7
  Top Layer w0.55: U1.4 30.421,39.9 30.099,39.578 30.099,38.735 30.354,38.48 30.534,38.3 U1.6 37.519,38.3 38.319,37.5 U1.18 43.088,37.5 43.103,37.515 C4.1 C4.1@42.903,37.95 ; R6.2 52.829,39.5 55.309,37.02 J4.2@57.73,37.02
  Top Layer w0.6: 1.617,48.197 1.807,48.006 12.899,48.006 13.25,47.655 C1.1 13.6,46.15 F1.2 13.572,44.222 13.572,42.722 13.351,42.501 R3.2 ; 38.62,6.477 38.62,6.985 38.747,7.112 53.39,7.112 ; S1.39 53.39,7.112 ; C8.1@55.924,5.5 55.924,7.112 53.39,7.112
  Top Layer w1: LED1.2@1.617,46.228 1.617,48.197 LED2.2@1.617,50.165 ; S1.24 15.29,7.063 15.876,6.477 38.1,6.477 ; J7.4 38.1,6.477 ; C7.1 38.62,6.477 38.1,6.477
  Bottom Layer w1: J4.2@57.73,37.02 57.658,36.948 57.658,35.257 58.244,34.671 v2(65.371,34.671)
pads on no net: J1.4 J4.1@63.5,50.8 J4.2@60.96,50.8 J4.3@58.42,50.8 J4.4@55.88,50.8 J4.5@53.34,50.8 J4.6@50.8,50.8 J4.7 J5.1 J5.7 J5.8 J5.9 J5.10 J6.1 J6.2 J6.3 J6.4 J6.5 J6.6 J7.1 J7.5 J7.7 J7.8 S1.1 S1.3 S1.5 S1.14 S1.16 S1.25 S1.29 S1.30 S1.32 S1.33 S1.34 S1.35 S1.40 U1.1 U1.2 U1.9 U1.10 U1.11 U1.19 U1.20 U1.22 U1.26 U1.27 U1.28 U1.30 U1.31

## Polygon pours and split planes (outlines as drawn)
VCC on Top Layer "NONET_L01_P-001" (solid, pour order 0): 0,0 66.04,0 66.04,2.44 68.68,5.08 68.68,38.1 66.04,40.74 66.04,53.44 0,53.44
GND on Top Layer "NONET_L01_P-001" (solid, pour order 3): 39.751,6.096 39.878,5.969 43.942,5.969 43.942,2.159 43.815,2.032 43.688,2.159 39.751,2.159
GND on Top Layer "NONET_L01_P-001" (solid, pour order 2): 0.59,43.425 0.59,35.075 5.461,35.075 5.461,38.227 2.49,38.227 2.49,43.425
GND on Bottom Layer "NONET_L01_P-001" (solid, pour order 1): 0,0 66.04,0 66.04,2.44 68.68,5.08 68.68,38.1 66.04,40.74 66.04,53.44 0,53.44
no net on Bottom Overlay "NONET_L01_P-001" (solid): 0,0 0,53.44 66.04,53.44 66.04,40.64 66.14,40.64 68.68,38.1 68.68,5.08 68.58,5.08 66.04,2.54 66.04,0

## Keep-outs
Keep-Out Layer:
  the board outline again, w0.127

## Other copper
Top Layer:
  pour cut-out: 41.783,37.719 42.545,37.719 42.545,38.481 41.783,38.481
  pour cut-out: 39.045,6.096 39.751,6.096 39.751,2.413 39.243,2.413 39.045,2.611

## Silkscreen, mask and mechanical layers (free items; w line width, h text height)
Top Overlay:
  lines w0.2: 14.936,30.403 15.24,30.099 ; 14.936,30.784 15.24,30.48 ; 14.936,31.165 15.24,30.861 ; 14.936,31.546 15.24,31.242 ; 14.986,31.877 15.29,31.573 15.29,26.12 ; 42.876,30.784 43.18,30.48 ; 42.876,31.165 43.18,30.861 ; 42.876,31.546 43.18,31.242 ; 42.926,31.877 43.23,31.573 43.23,26.12 ; 47.956,31.165 48.26,30.861 ; 47.956,31.546 48.26,31.242 ; 48.006,31.877 48.31,31.573 48.31,26.12 ; 53.036,31.546 53.34,31.242 ; 53.086,31.877 53.39,31.573 53.39,31.446 53.39,26.12 ; 55.626,31.877 55.93,31.573 55.93,26.12
  text "PROGRAMIING" at 0.326,51.55 h0.9
  text "HEARTBEAT" at 0.822,47.55 h0.9
  text "SELF / PROGRAMMING" at 43.627,45.07 h0.9
  text "GND" at 58.18,44.17 h0.9 r90
  text "RST" at 60.72,44.17 h0.9 r90
  text "SCK" at 63.197,38.36 h0.9 r90
  text "MOSI" at 55.704,38.06 h0.9 r90
  text "SLOW SCK" at 47.351,37.3 h0.9
  text "VCC" at 58.18,32.55 h0.9 r90
  text "MISO" at 60.72,31.801 h0.9 r90
  text "40 PIN 0.6\" ZIF" at 59.775,11.977 h0.9 r90
  text "AVR PROGRAMMER SHEILD / BY SKOPUS & TWENTY LAB" at 64.93,4.225 h0.9 r90
  text "HARDWARE / RESET" at 18.351,4.139 h0.9
  text "EXTERNAL / CRYSTAL" at 10.379,3.142 h0.9
Bottom Overlay:
  drawing of 97 lines, arcs and shapes, not listed
Mechanical 25:
  lines w0.013: 66.103,53.567 cw(c66.104,53.503) 66.108,53.567 cw(c66.104,53.503) 66.113,53.566 cw(c66.104,53.504) 66.132,53.56 cw(c66.103,53.503) 66.135,53.559 ; 66.167,53.503 ccw(c66.104,53.504) 66.154,53.542 ccw(c66.103,53.503) 66.135,53.558 ; 66.135,53.559 66.135,53.558

## Text inside footprints (layer, text, board x,y; h text height)
J1: Mechanical 1 "PCB EDGE" at 0.54,33.55 h1 r270